# Altium PCB DAW500LCB.PcbDoc (part 2 of 3)
Units mm, origin at the board's own origin, x right, y up, seen from the top; angles counter-clockwise.
Board outline 180.09 x 194.82 mm, 2 copper layers (Top Layer, Bottom Layer); 330 components, 331 nets, 1136 pads, 143 vias.
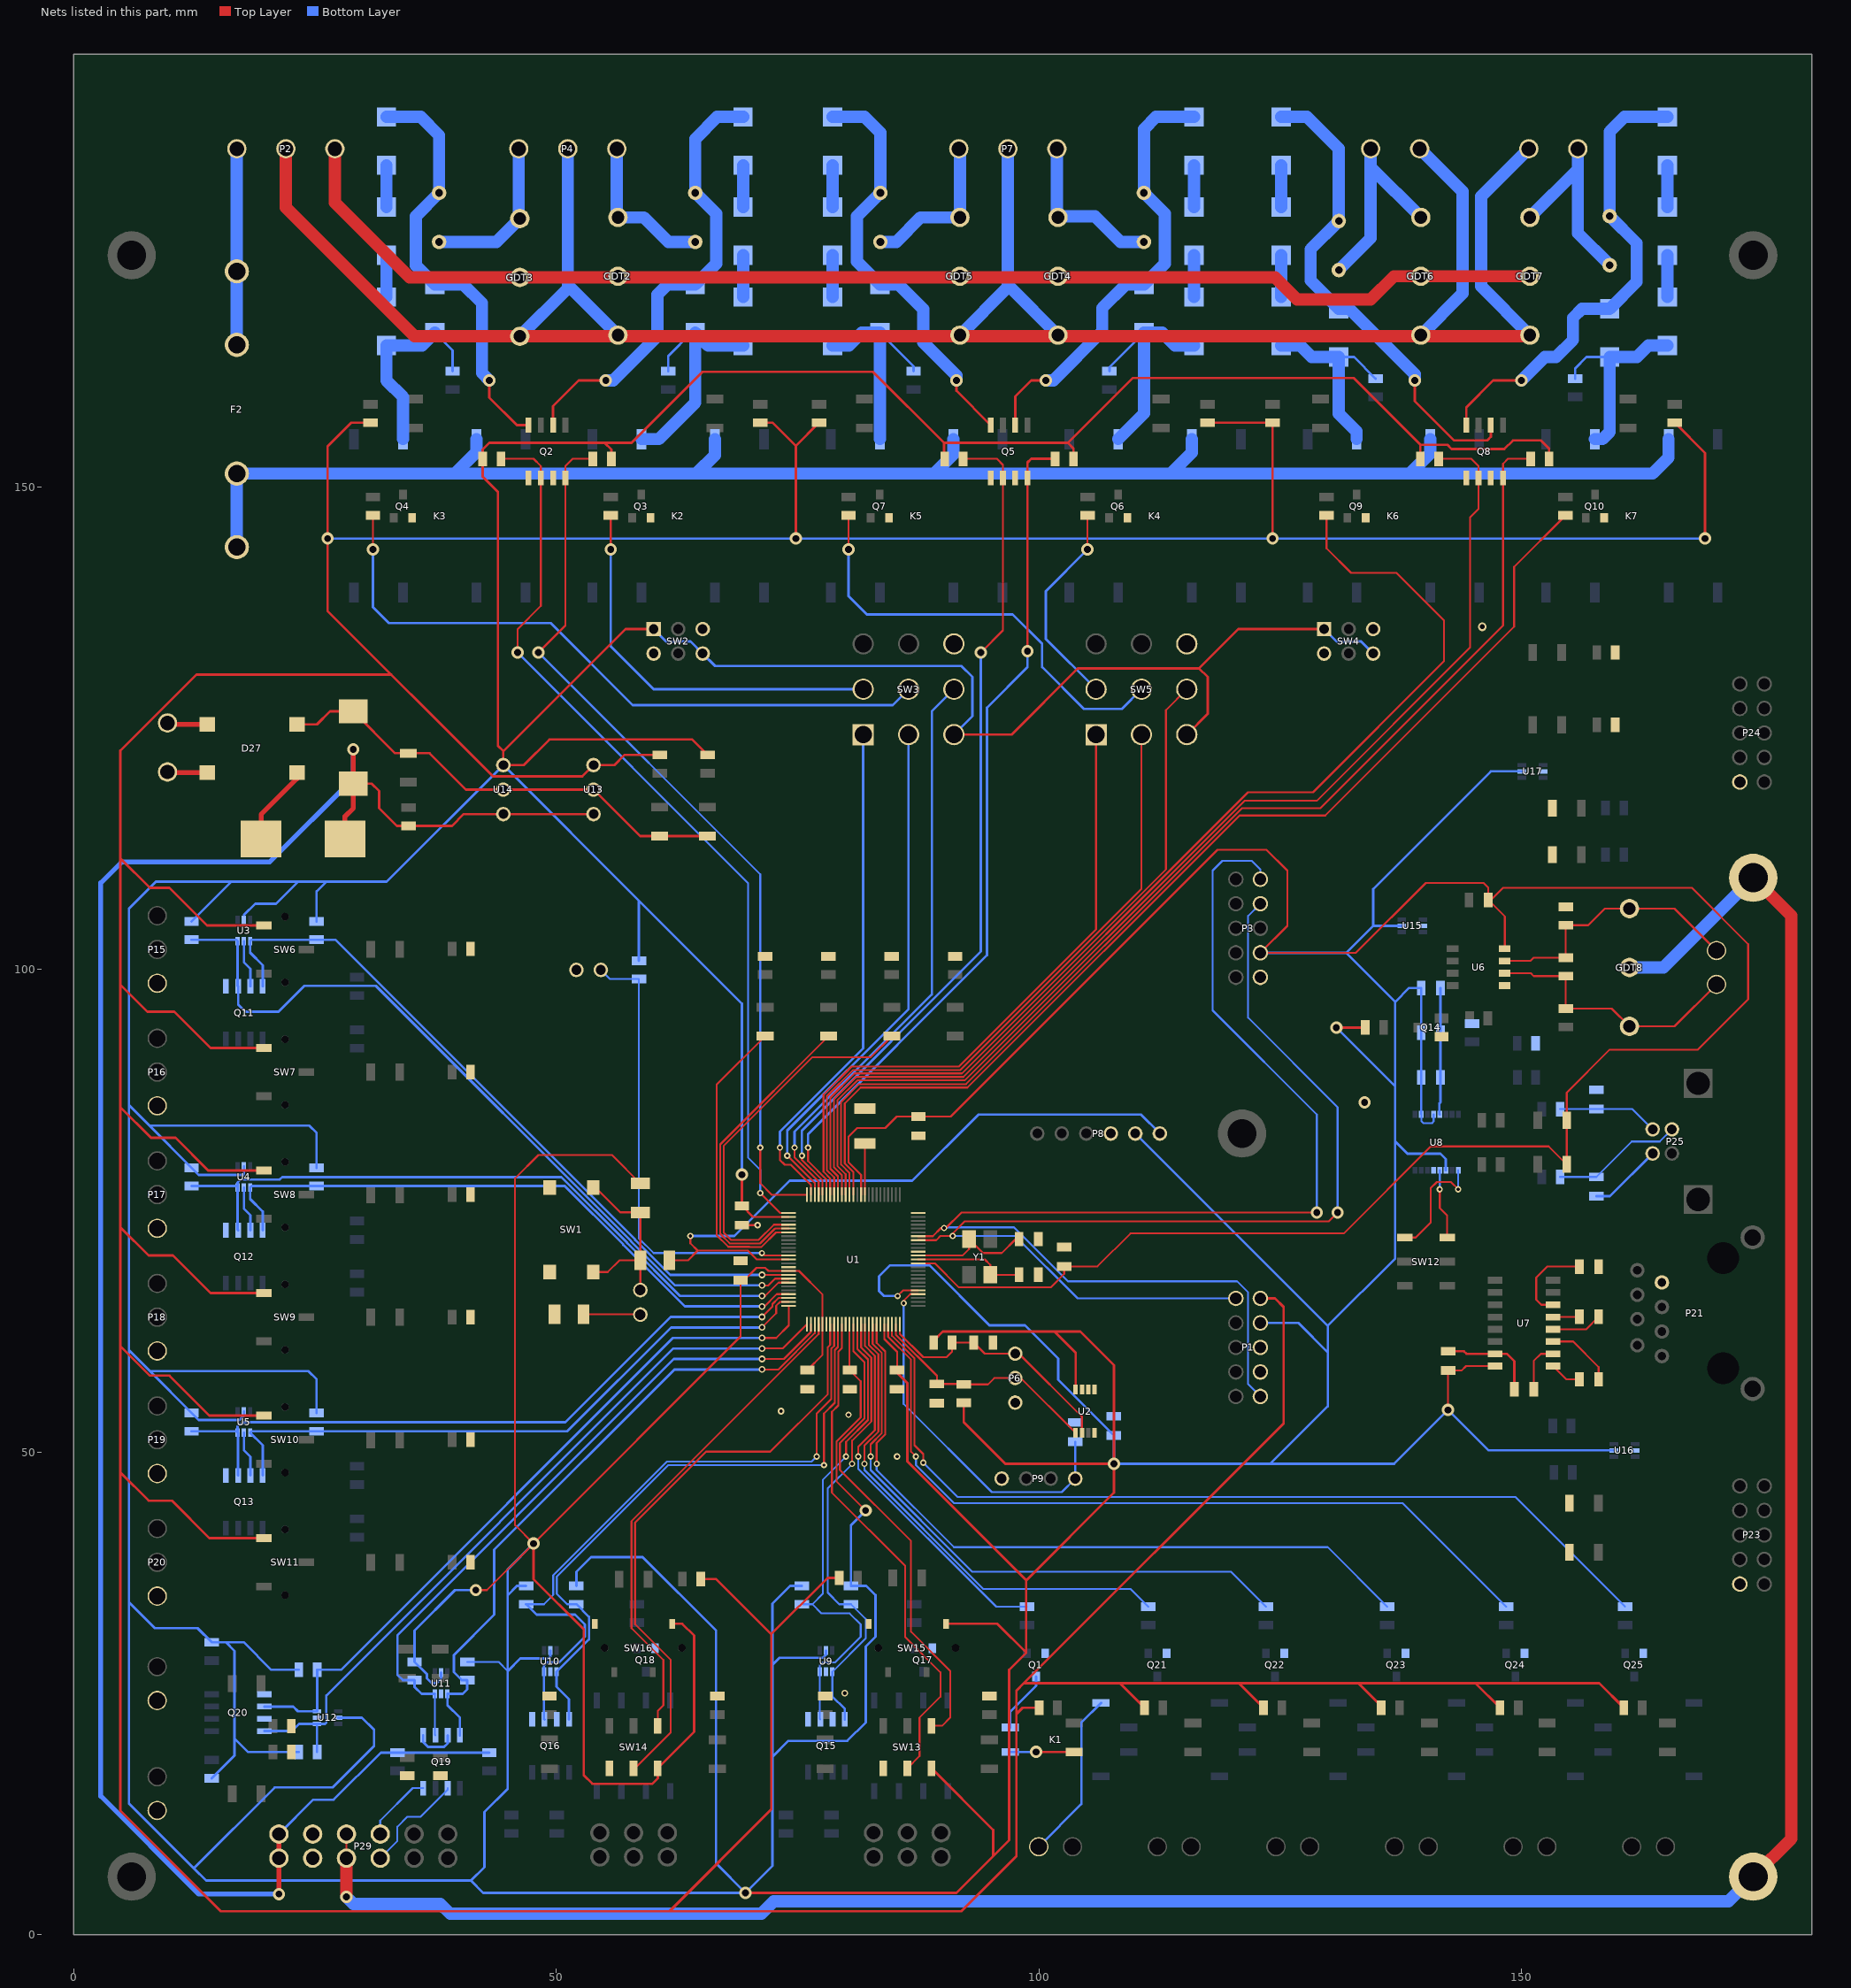
[diagram p2: the nets of this part, all layers, seen from the top]

## Via types
v1: diameter 1.27, hole 0.711, Top Layer to Bottom Layer, 78 vias
v2: diameter 0.65, hole 0.35, Top Layer to Bottom Layer, 37 vias
v3: diameter 0.7, hole 0.4, Top Layer to Bottom Layer, 11 vias
v4: diameter 1, hole 0.5, Top Layer to Bottom Layer, 11 vias
v5: diameter 0.7, hole 0.35, Top Layer to Bottom Layer, 2 vias
v6: diameter 0.9, hole 0.5, Top Layer to Bottom Layer, 1 vias
v7: diameter 1.27, hole 0.711, Top Layer to Bottom Layer, tented bottom, 1 vias
v8: diameter 0.65, hole 0.35, Top Layer to Bottom Layer, tented bottom, 1 vias
v9: diameter 0.65, hole 0.3, Top Layer to Bottom Layer, 1 vias

## Nets (pads, with @x,y where several pads share a name; then routed paths per layer and width w, separated by ;. In a path a pad name is that pad's centre, name@x,y a point inside that pad or via, vN(x,y) a via of type N, cw(c..) or ccw(c..) an arc to the next point about the centre after c; other vN are vias at no path point) (continued)
3V3: C3.1 C4.1 C5.2 C8.1 C11.1 C12.1 C13.1 C16.1 C17.1 C18.1 C19.1 C20.1 C23.2 LED17.2 LED18.2 P1.4 P3.8 P8.2 R3.2 R5.2 R11.2 R13.2 R19.2 R21.2 R29.2 R32.1 R33.1 R38.1 R39.1 R44.1 R45.1 R53.1 R61.1 R62.2 R67.1 R68.2 R77.1 R78.1 R83.2 R84.2 R85.2 R86.2 R91.2 R104.2 R105.2 R106.2 SW2.1 SW2.6 SW3.7 SW4.1 SW4.6 SW5.7 SW13.4 SW14.4 SW15.4 SW16.4 U1.2 U1.16 U1.30 U1.37 U1.46 U1.55 U1.62 U1.86 U2.8 U3.5 U4.5 U5.5 U6.8 U7.16 U8.3 U8.10 U8.12 U9.5 U10.5 U11.5 U12.5 U14.3 U15.5 U16.5 U17.5 | length 1845.4
  Top Layer w0.2: v1(41.656,35.687) 42.799,35.687 v1(47.625,40.513) ; R29.2@58.698,77.827 55.753,80.772 48.133,80.772 45.72,78.359 45.72,42.418 v1(47.625,40.513) ; C3.1@69.215,75.509 70.371,74.353 U1.2@74.072,74.353 ; C16.1@76,58.5 77.572,60.072 U1.30@77.572,63.253 77.572,66.319 75.138,68.753 U1.16@74.072,68.753 71.969,68.753 71.634,69.088 70.739,69.088 69.461,67.81 C4.1@69.088,67.81 69.088,61.976 v1(47.625,40.513) ; U1.37@80.372,63.253 80.372,58.5 81.534,57.338 81.534,53.594 79.015,51.075 79.015,46.969 v1(82.042,43.942) ; U1.86@81.572,76.653 81.572,78.713 80.264,80.021 80.264,82.677 81.153,83.566 84.074,83.566 85.27,84.762 C20.1@87.503,84.762 90.858,84.762 118.491,112.395 123.571,112.395 125.73,110.236 125.73,104.521 P3.8@122.936,101.727 132.842,101.727 140.081,108.966 146.05,108.966 146.558,108.458 C8.1@146.558,107.188 ; U1.46@83.972,63.253 83.972,61.697 85.3,60.369 C18.1@85.3,58.5 ; v2(85.344,66.167) 85.931,66.753 U1.55@87.472,66.753 ; U1.62@87.472,69.553 89.198,69.553 91.695,67.056 101.219,67.056 102.616,68.453 C19.1@102.616,69.215 ; C19.1@102.616,69.231 106.061,69.231 109.474,72.644 131.572,72.644 140.589,81.661 152.808,81.661 LED17.2@154.676,79.793 LED18.2@154.676,84.365 154.676,87.239 159.131,91.694 168.275,91.694 173.482,96.901 173.482,102.616 167.64,108.458 148.082,108.458 146.812,107.188 C8.1@146.558,107.188 ; v1(142.383,54.356) C5.2@142.383,58.436 143.78,58.436 144.248,58.904 U7.16@147.255,58.904 ; U6.8@148.258,102.155 148.258,105.488 C8.1@146.558,107.188
  Top Layer w0.254: v1(47.625,40.513) 47.625,36.83 52.832,31.623 52.832,16.51 53.721,15.621 59.944,15.621 60.5,16.177 SW14.4@60.5,17.231 64.262,20.993 64.262,30.988 63.05,32.2 SW16.4@62,32.2 ; R3.2@55.687,152.908 55.687,153.863 54.991,154.559 ; SW2.1@60.077,135.27 57.165,135.27 44.5,122.605 ; R91.2@65.659,122.235 64.069,123.825 49.276,123.825 46.625,121.174 U14.3@44.5,121.174 44.5,122.605 ; C3.1@69.215,75.509 v1(69.215,78.74) ; v1(69.596,4.318) 91.44,4.318 95.25,8.128 ; C18.1@85.3,58.5 85.3,58.2 86.354,57.146 86.354,49.028 98.679,36.703 ; SW13.4@88.86,17.231 95.25,10.841 95.25,8.128 ; R104.2@89.093,61.341 89.093,61.534 90.043,62.484 101.6,62.484 ; R13.2@90.236,152.908 90.17,152.974 90.17,154.559 ; SW15.4@90.36,32.2 95.689,32.2 98.679,29.21 ; SW3.7@91.187,124.332 97.154,124.332 104.013,131.191 116.586,131.191 ; R105.2@92.202,55.099 92.202,53.086 96.52,48.768 v1(107.757,48.768) ; R11.2@103.566,152.908 103.566,153.99 102.997,154.559 ; U2.8@103.8,56.479 103.8,60.284 101.6,62.484 ; SW5.7@115.317,124.332 117.475,126.49 117.475,130.302 116.586,131.191 ; SW4.1@129.54,135.27 120.665,135.27 116.586,131.191 ; v1(130.81,93.98) R53.1@133.813,93.98 ; R21.2@139.512,152.908 139.512,154.366 ; R19.2@152.842,152.908 152.842,153.99 152.019,154.813 149.098,154.813 148.209,153.924 142.748,153.924 142.306,154.366 139.512,154.366 ; 44.5,122.605 43.942,123.163 43.942,149.479 42.357,151.064 R5.2@42.357,152.908 42.357,153.863 43.053,154.559 54.991,154.559 ; 54.991,154.559 57.785,154.559 65.151,161.925 82.804,161.925 90.17,154.559 ; 90.17,154.559 102.997,154.559 ; 95.25,8.128 96.901,9.779 96.901,27.432 98.679,29.21 ; 98.679,29.21 98.679,36.703 ; 98.679,36.703 107.757,45.781 v1(107.757,48.768) ; 101.6,62.484 104.267,62.484 107.757,58.994 v1(107.757,48.768) ; 102.997,154.559 109.728,161.29 132.588,161.29 139.512,154.366
  Bottom Layer w0.2: R77.1@40.767,28.255 44.008,28.255 44.958,27.305 ; U8.10@139.603,85.01 C13.1@139.603,88.81 C12.1@139.603,93.446 C11.1@139.603,98.081 ; U8.10@139.618,84.995 139.618,84.283 139.827,84.074 140.716,84.074 140.888,84.246 U8.12@140.888,84.995
  Bottom Layer w0.254: 5.715,34.417 8.382,31.75 12.823,31.75 R83.2@14.286,30.287 15.748,30.287 ; R33.1@12.204,104.979 16.318,109.093 ; R84.2@14.286,16.195 16.637,18.546 16.637,20.32 ; U5.5@17.625,54.202 17.625,53.771 17.165,53.312 12.944,53.312 R45.1@12.204,54.052 7.874,58.382 ; U4.5@17.625,79.602 17.625,78.712 12.944,78.712 R39.1@12.204,79.452 7.836,83.82 ; 17.625,105.636 18.796,106.807 20.955,106.807 23.241,109.093 ; R85.2@23.307,18.923 18.034,18.923 16.637,20.32 ; R86.2@23.307,27.432 20.447,27.432 17.592,30.287 15.748,30.287 ; R44.1@25.158,54.052 25.158,57.519 24.295,58.382 7.874,58.382 ; R38.1@25.158,79.452 25.158,83.046 24.384,83.82 7.836,83.82 ; R32.1@25.158,104.979 25.158,108.089 26.162,109.093 ; U12.5@27.389,22.479 29.845,22.479 31.115,21.209 31.115,19.558 26.797,15.24 20.828,15.24 12.446,6.858 ; U11.5@38.06,27.135 38.06,26.503 37.592,26.035 37.084,26.035 36.576,26.543 36.576,26.985 R78.1@35.306,28.255 35.306,31.496 39.497,35.687 v1(41.656,35.687) ; R68.2@46.863,36.129 45.908,36.129 44.958,35.179 ; v1(47.625,40.513) 44.958,37.846 44.958,35.179 ; U10.5@49.363,29.421 49.363,28.789 49.182,28.608 46.261,28.608 44.958,27.305 ; R67.1@52.07,36.129 52.07,37.592 53.594,39.116 58.928,39.116 66.548,31.496 66.548,7.366 v1(69.596,4.318) ; R106.2@58.547,100.899 58.547,107.127 ; SW2.1@60.077,135.27 61.362,133.985 63.902,133.985 SW2.6@65.157,132.73 66.442,131.445 91.948,131.445 93.091,130.302 93.091,126.236 SW3.7@91.187,124.332 ; v1(69.215,78.74) 69.215,96.459 58.547,107.127 ; 72.39,18.415 74.041,20.066 80.137,20.066 82.042,21.971 82.042,29.845 83.058,30.861 83.058,35.179 82.108,36.129 R61.1@80.518,36.129 80.518,42.418 v1(82.042,43.942) ; R62.2@75.438,36.129 74.229,36.129 72.39,34.29 72.39,27.94 ; U9.5@77.938,29.421 77.938,28.99 77.632,28.684 73.134,28.684 72.39,27.94 ; v2(85.344,66.167) 83.947,66.167 83.439,66.675 83.439,68.199 84.582,69.342 88.646,69.342 94.869,63.119 98.552,63.119 101.981,59.69 101.981,57.481 C23.2@107.757,51.705 v1(107.757,48.768) 123.952,48.768 ; P8.2@109.982,83 129.921,63.061 ; P1.4@122.936,63.373 126.873,63.373 129.921,60.325 ; P3.8@122.936,101.727 131.826,101.727 ; SW4.1@129.54,135.27 130.825,133.985 133.365,133.985 SW4.6@134.62,132.73 ; v1(130.81,93.98) 136.906,87.884 ; U15.5@137.584,104.521 134.62,104.521 ; C11.1@139.603,98.081 138.34,98.081 136.906,96.647 ; U8.3@142.148,79.195 142.148,80.356 141.605,80.899 138.176,80.899 136.906,82.169 ; U17.5@150.03,120.523 146.812,120.523 134.62,108.331 134.62,104.521 ; U16.5@159.555,50.165 146.574,50.165 v1(142.383,54.356) 136.795,48.768 123.952,48.768 ; 5.715,60.541 5.715,13.589 12.446,6.858 ; 5.715,60.541 5.715,85.941 ; 5.715,60.541 7.874,58.382 ; 5.715,85.941 5.715,106.299 8.509,109.093 16.318,109.093 ; 5.715,85.941 7.836,83.82 ; 12.446,6.858 13.716,5.588 41.148,5.588 ; 15.748,30.287 16.637,29.398 16.637,20.32 ; 16.318,109.093 23.241,109.093 ; 23.241,109.093 26.162,109.093 ; 26.162,109.093 32.419,109.093 U14.3@44.5,121.174 58.547,107.127 ; 41.148,5.588 42.418,4.318 v1(69.596,4.318) ; 41.148,5.588 42.545,6.985 42.545,12.7 44.958,15.113 44.958,27.305 ; 44.958,27.305 44.958,35.179 ; v1(69.596,4.318) 72.39,7.112 72.39,27.94 ; 123.952,48.768 129.921,54.737 129.921,60.325 ; 129.921,60.325 129.921,63.061 ; 129.921,63.061 136.906,70.046 136.906,82.169 ; 131.826,101.727 134.62,104.521 ; 131.826,101.727 136.906,96.647 ; 136.906,82.169 136.906,87.884 ; 136.906,87.884 136.906,96.647
5V: P1.2 R2.2 R8.2 R10.2 R16.2 R18.2 R24.2 R73.2 R74.2 R89.2 R92.2 R93.2 R96.2 R97.2 R100.2 R101.2 SW6.1 SW7.1 SW8.1 SW9.1 SW10.1 SW11.1 U13.3 | length 807.5
  Top Layer w0.254: SW11.1@19.685,41.068 14.05,41.068 10.16,44.958 7.747,44.958 4.826,47.879 ; SW10.1@19.685,53.768 14.05,53.768 9.906,57.912 7.874,57.912 4.826,60.96 ; SW9.1@19.685,66.468 14.177,66.468 10.287,70.358 7.747,70.358 4.826,73.279 ; SW8.1@19.685,79.168 13.923,79.168 10.541,82.55 8.001,82.55 4.826,85.725 ; SW7.1@19.685,91.868 14.177,91.868 10.414,95.631 7.62,95.631 4.826,98.425 ; SW6.1@19.685,104.568 13.796,104.568 9.906,108.458 7.874,108.458 4.826,111.506 ; R8.2@30.734,156.657 28.768,156.657 26.289,154.178 v1(26.289,144.653) 26.289,137.16 43.434,120.015 52.689,120.015 U13.3@53.848,121.174 56.023,121.174 57.084,122.235 R89.2@60.706,122.235 ; 32.893,130.556 12.7,130.556 4.826,122.682 4.826,111.506 ; R74.2@64.958,36.83 66.548,36.83 72.263,31.115 ; R2.2@71.12,156.657 72.39,156.657 74.803,154.244 ; v1(74.803,144.653) 74.803,154.244 ; R16.2@77.216,156.657 74.803,154.244 ; R73.2@79.314,36.957 78.105,36.957 72.263,31.115 ; R92.2@100.015,23.495 98.298,23.495 97.663,22.86 ; 108.458,25.974 R93.2@110.937,23.495 ; R10.2@117.475,156.657 R18.2@124.206,156.657 v1(124.206,144.653) ; P1.2@122.936,65.913 124.46,65.913 125.349,65.024 125.349,52.959 98.425,26.035 ; R96.2@123.256,23.495 120.777,25.974 120.777,26.035 ; R97.2@135.448,23.495 135.448,23.683 133.096,26.035 ; R100.2@147.767,23.495 145.227,26.035 ; R101.2@160.594,23.495 158.054,26.035 145.227,26.035 ; R24.2@165.862,156.657 169,153.519 v1(169,144.653) ; 4.826,47.879 4.826,60.96 ; 4.826,47.879 4.826,12.827 15.24,2.413 61.722,2.413 ; 4.826,60.96 4.826,73.279 ; 4.826,73.279 4.826,85.725 ; 4.826,85.725 4.826,98.425 ; 4.826,98.425 4.826,111.506 ; 61.722,2.413 72.263,12.954 72.263,31.115 ; 61.722,2.413 91.948,2.413 97.663,8.128 97.663,22.86 ; 97.663,22.86 97.663,25.273 98.425,26.035 ; 98.425,26.035 120.777,26.035 ; 120.777,26.035 133.096,26.035 ; 133.096,26.035 145.227,26.035
  Bottom Layer w0.254: v1(26.289,144.653) v1(74.803,144.653) v1(124.206,144.653) v1(169,144.653)
24V: F9.2 P29.1 P29.2 R79.2 R82.2 R90.2 TVS9.1 U13.1 U14.1 | length 220.3
  Top Layer w0.254: TVS9.1@28.956,119.25 30.864,119.25 31.623,118.491 31.623,116.713 33.462,114.874 R90.2@34.671,114.874 39.182,114.874 40.402,116.094 U14.1@44.5,116.094 U13.1@53.848,116.094
  Top Layer w0.508: v1(21.25,4.191) P29.1@21.25,7.914 P29.2@21.25,10.414 ; F9.2@28.099,113.538 28.099,115.856 28.956,116.713 TVS9.1@28.956,119.25 v1(28.956,122.809)
  Bottom Layer w0.254: P29.2@21.25,10.414 24.806,13.97 26.924,13.97 31.811,18.857 R82.2@33.528,18.857 R79.2@43.053,18.857
  Bottom Layer w0.508: v1@21.209,4.191 12.954,4.191 2.794,14.351 2.794,108.966 4.953,111.125 20.282,111.125 28.956,119.799 v1(28.956,122.809)
AC1: R4.2 SW3.2 | length 41.6
  Top Layer w0.2: v1(55.626,143.51) R4.2@55.626,147.05
  Bottom Layer w0.254: v1(55.626,143.51) 55.626,133.477 60.071,129.032 SW3.2@81.787,129.032
AC2: R9.2 SW3.5 | length 69.9
  Top Layer w0.2: v1(30.988,143.51) R9.2@30.988,147.05
  Bottom Layer w0.254: v1(30.988,143.51) 30.988,137.541 32.639,135.89 49.403,135.89 57.912,127.381 84.836,127.381 SW3.5@86.487,129.032
AC3: R12.2 SW5.2 | length 22
  Top Layer w0.2: v1(105.029,143.51) R12.2@105.029,147.05
  Bottom Layer w0.254: v1(105.029,143.51) 100.711,139.192 100.711,134.238 SW5.2@105.917,129.032
AC4: R17.2 SW5.5 | length 45.8
  Top Layer w0.2: v1(80.264,143.51) R17.2@80.264,147.05
  Bottom Layer w0.254: v1(80.264,143.51) 80.264,138.684 82.169,136.779 97.282,136.779 100.33,133.731 100.33,131.318 104.648,127 108.585,127 SW5.5@110.617,129.032
ACA1S: Q8.8 R19.1 U1.89 | length 118.8
  Top Layer w0.2: U1.89@80.372,76.653 80.372,78.895 79.496,79.771 79.496,86.266 81.347,88.117 92.434,88.117 121.03,116.713 129.158,116.713 148.082,135.637 Q8.8@148.082,150.938 148.082,152.4 148.59,152.908 R19.1@150.942,152.908
ACA2S: Q8.6 R21.1 U1.90 | length 118.7
  Top Layer w0.2: U1.90@79.972,76.653 79.972,78.786 79.109,79.649 79.109,86.427 81.186,88.504 92.312,88.504 121.283,117.475 128.778,117.475 144.653,133.35 144.653,146.812 145.542,147.701 Q8.6@145.542,150.938 145.542,152.146 144.78,152.908 R21.1@141.412,152.908
ACAUX1: R20.2 U1.91 | length 115.2
  Top Layer w0.2: U1.91@79.572,76.653 79.572,78.677 78.749,79.5 78.749,86.576 81.037,88.864 92.163,88.864 121.663,118.364 128.397,118.364 141.965,131.932 141.965,136.165 137.033,141.097 132.334,141.097 129.794,143.637 R20.2@129.794,147.05
ACAUX2: R25.2 U1.88 | length 113.4
  Top Layer w0.2: U1.88@80.772,76.653 80.772,79.004 79.883,79.893 79.883,86.106 81.534,87.757 92.583,87.757 120.777,115.951 129.667,115.951 149.225,135.509 149.225,141.716 R25.2@154.559,147.05
ACLA: SW5.8 U1.92 | length 74.5
  Top Layer w0.2: U1.92@79.172,76.653 79.172,78.568 78.389,79.351 78.389,86.725 80.888,89.224 92.014,89.224 113.157,110.367 113.157,126.872 SW5.8@115.317,129.032
ACLG: SW5.1 U1.94 | length 66.2
  Top Layer w0.2: U1.94@78.372,76.653 78.372,78.349 77.669,79.052 77.669,87.023 80.59,89.944 91.715,89.944 105.917,104.146 SW5.1@105.917,124.332
ACLGS: Q5.8 R11.1 U1.95 | length 89.1
  Top Layer w0.2: v2(76.073,81.534) 76.073,80.139 77.972,78.24 U1.95@77.972,76.653
  Top Layer w0.254: v1(98.806,132.969) Q5.8@98.806,150.938 98.806,152.527 99.187,152.908 R11.1@101.666,152.908
  Bottom Layer w0.254: v2(76.073,81.534) 76.073,82.931 94.615,101.473 94.615,127.127 98.806,131.318 v1(98.806,132.969)
ACLR: SW5.4 U1.93 | length 68
  Top Layer w0.2: U1.93@78.772,76.653 78.772,78.458 78.029,79.201 78.029,86.874 80.739,89.584 91.864,89.584 110.617,108.337 SW5.4@110.617,124.332
ACLRS: Q5.6 R13.1 U1.96 | length 89.5
  Top Layer w0.2: v2(75.438,80.7) 75.438,80.265 77.572,78.131 U1.96@77.572,76.653 ; R13.1@92.136,152.908 95.631,152.908 96.266,152.273 Q5.6@96.266,150.938 96.266,135.128 v1(93.98,132.842)
  Bottom Layer w0.254: v2(75.438,80.7) 75.438,83.312 93.98,101.854 v1(93.98,132.842)
ACTA: SW3.8 U1.97 | length 60.3
  Top Layer w0.2: v2(74.676,81.534) 74.676,80.518 77.172,78.022 U1.97@77.172,76.653
  Bottom Layer w0.254: v2(74.676,81.534) 74.676,83.185 88.9,97.409 88.9,126.745 SW3.8@91.187,129.032
ACTG: SW3.1 U1.99 | length 53.4
  Top Layer w0.2: v2(73.152,81.534) 73.152,80.264 73.66,79.756 74.295,79.756 76.372,77.679 U1.99@76.372,76.653
  Bottom Layer w0.254: v2(73.152,81.534) 73.152,83.185 81.788,91.821 SW3.1@81.788,124.783
ACTGS: Q2.8 R3.1 U1.100 | length 93.5
  Top Layer w0.2: v1(48.133,132.842) 50.927,135.636 Q2.8@50.927,150.938 50.927,152.146 51.689,152.908 R3.1@53.787,152.908 ; v2(71.12,81.534) 71.12,77.851 72.318,76.653 U1.100@75.972,76.653
  Bottom Layer w0.2: v1(48.133,132.842) 71.12,109.855 v2(71.12,81.534)
ACTR: SW3.4 U1.98 | length 54.1
  Top Layer w0.2: v2@73.93,80.716 76.772,77.875 U1.98@76.772,76.653
  Bottom Layer w0.254: v2(73.914,80.7) 73.914,83.312 86.487,95.885 SW3.4@86.487,124.332
ACTRS: Q2.6 R5.1 U1.1 | length 95
  Top Layer w0.2: R5.1@44.257,152.908 47.625,152.908 48.387,152.146 Q2.6@48.387,150.938 48.387,137.668 45.974,135.255 v1(45.974,132.842) ; v2(71.12,76.835) 73.202,74.753 U1.1@74.072,74.753
  Bottom Layer w0.2: v1(45.974,132.842) 69.85,108.966 69.85,80.518 71.12,79.248 v2(71.12,76.835)
AI1: Q11.8 R32.2 U1.17 U3.1 | length 75.5
  Top Layer w0.2: v3(71.3,68.353) U1.17@74.072,68.353
  Bottom Layer w0.254: Q11.8@19.57,98.252 19.57,100.445 18.275,101.74 U3.1@18.275,102.929 18.425,103.079 R32.2@25.158,103.079 27.096,103.079 58.16,72.015 58.16,71.976 61.783,68.353 v3(71.3,68.353)
AI2: Q11.6 R33.2 U1.18 U3.3 | length 83
  Top Layer w0.2: v3(71.3,67.263) 71.962,67.263 72.652,67.953 U1.18@74.072,67.953
  Bottom Layer w0.254: R33.2@12.204,103.079 16.825,103.079 U3.3@16.975,102.929 16.975,98.307 Q11.6@17.03,98.252 17.03,96.381 17.78,95.631 21.209,95.631 23.876,98.298 31.292,98.298 57.746,71.844 57.746,71.804 62.287,67.263 v3(71.3,67.263)
AI3: Q12.8 R38.2 U1.22 U4.1 | length 66.5
  Top Layer w0.2: v3(71.3,65.084) 71.561,65.084 72.83,66.353 U1.22@74.072,66.353
  Bottom Layer w0.254: Q12.8@19.57,72.979 19.57,74.918 18.275,76.213 U4.1@18.275,77.402 18.425,77.552 R38.2@25.158,77.552 50.867,77.552 56.918,71.501 56.918,71.461 63.295,65.084 v3(71.3,65.084)
AI4: Q12.6 R39.2 U1.19 U4.3 | length 72.8
  Top Layer w0.2: v3(71.3,66.174) 71.635,66.174 73.014,67.553 U1.19@74.072,67.553
  Bottom Layer w0.254: R39.2@12.204,77.552 16.825,77.552 U4.3@16.975,77.402 ; Q12.6@17.03,72.979 16.975,73.034 U4.3@16.975,77.402 ; v3(71.3,66.174) 62.791,66.174 57.332,71.633 57.332,71.672 50.518,78.486 21.59,78.486 21.336,78.232 17.272,78.232 16.975,77.935 U4.3@16.975,77.402
AI5: Q13.8 R44.2 U1.24 U5.1 | length 66.8
  Top Layer w0.2: v3(71.3,62.905) 72.771,64.376 72.771,65.15 73.174,65.553 U1.24@74.072,65.553
  Bottom Layer w0.254: Q13.8@19.57,47.579 19.57,50.707 U5.1@18.275,52.002 18.425,52.152 R44.2@25.158,52.152 51.136,52.152 61.889,62.905 v3(71.3,62.905)
AI6: Q13.6 R45.2 U1.23 U5.3 | length 72.6
  Top Layer w0.2: v3(71.3,63.995) 72.39,65.085 72.39,65.329 73.014,65.953 U1.23@74.072,65.953
  Bottom Layer w0.254: R45.2@12.204,52.152 U5.3@16.975,52.152 ; U5.3@16.975,52.002 U5.3@16.975,52.152 ; U5.3@17.018,51.959 17.018,47.591 Q13.6@17.03,47.579 ; v3(71.3,63.995) 61.836,63.995 50.927,53.086 17.653,53.086 17.465,52.898 17.211,52.898 16.975,52.662 U5.3@16.975,52.152
AOC1: R94.1 U1.41 | length 39.5
  Top Layer w0.2: v2(81.28,49.53) 81.28,50.546 82.995,52.261 82.995,59.965 81.972,60.988 U1.41@81.972,63.253
  Bottom Layer w0.2: v2(81.28,49.53) 81.28,48.26 95.57,33.97 R94.1@98.745,33.97
AOC2: R98.1 U1.43 | length 62.8
  Top Layer w0.2: v2(82.55,49.53) 82.55,50.798 83.715,51.963 83.715,60.263 82.772,61.206 U1.43@82.772,63.253
  Bottom Layer w0.2: v2(82.55,49.53) 82.55,48.133 93.091,37.592 119.888,37.592 R98.1@123.51,33.97
AOC3: R102.1 U1.47 | length 83
  Top Layer w0.2: U1.47@84.372,63.253 84.372,61.932 86.741,59.563 86.741,50.038 v2(87.249,49.53)
  Bottom Layer w0.2: v2(87.249,49.53) 87.249,48.641 91.186,44.704 137.668,44.704 R102.1@148.402,33.97
AOC4: R95.1 U1.42 | length 51.4
  Top Layer w0.2: v2(81.915,48.768) 81.915,50.672 83.355,52.112 83.355,60.114 82.372,61.097 U1.42@82.372,63.253
  Bottom Layer w0.2: v2(81.915,48.768) 81.915,48.134 94.235,35.814 109.474,35.814 R95.1@111.318,33.97
AOC5: R99.1 U1.44 | length 74.6
  Top Layer w0.2: U1.44@83.172,63.253 83.172,61.315 84.075,60.412 84.075,51.814 83.185,50.924 v2(83.185,48.768)
  Bottom Layer w0.2: v2(83.185,48.768) 83.185,48.133 91.186,40.132 129.921,40.132 R99.1@136.083,33.97
AOC6: R103.1 U1.48 | length 94.6
  Top Layer w0.2: U1.48@84.772,63.253 84.772,62.041 87.101,59.712 87.101,50.694 88.011,49.784 v2(88.011,48.895)
  Bottom Layer w0.2: v2(88.011,48.895) 91.567,45.339 149.352,45.339 R103.1@160.721,33.97
COMMON: GDT2.3 GDT3.3 GDT4.3 GDT5.3 GDT6.3 GDT7.3 P2.2 P4.2 P7.2 P10.1 P11.2 | length 243.6
  Top Layer w1.27: P2.2@21.971,185.039 21.971,178.943 35.31,165.604 GDT3.3@46.215,165.604 GDT7.3@150.744,165.604
  Bottom Layer w1.27: GDT3.3@46.215,165.604 51.181,170.57 P4.2@51.181,185.039 ; 51.528,170.57 GDT2.3@56.375,165.723 ; GDT5.3@91.808,165.723 96.774,170.689 P7.2@96.774,185.039 ; 97.002,170.689 GDT4.3@101.968,165.723 ; P10.1@139.446,185.039 143.89,180.595 143.89,170.053 GDT6.3@139.56,165.723 ; P11.2@150.749,185.039 145.796,180.086 145.796,170.79 GDT7.3@150.863,165.723
DATA+: GDT8.1 P22.2 R50.1 R52.2 U6.6 | length 28
  Top Layer w0.2: U6.6@148.258,99.605 150.966,99.605 151.255,99.316 R50.1@154.575,99.316 R52.2@154.575,95.946 159.336,95.946 GDT8.1@161.179,94.103 165.846,94.103 P22.2@170.196,98.453
DATA-: GDT8.3 P22.1 R49.1 R50.2 U6.7 | length 28
  Top Layer w0.2: U6.7@148.258,100.885 150.923,100.885 151.255,101.217 R50.2@154.575,101.217 R49.1@154.575,104.587 156.911,104.587 158.627,106.303 GDT8.3@161.179,106.303 165.846,106.303 P22.1@170.196,101.953
DOOR_INPUT: P5.2 R106.1 U1.12 | length 47.5
  Top Layer w0.2: v2(71.3,70.612) 71.559,70.353 U1.12@74.072,70.353
  Bottom Layer w0.2: P5.2@54.61,99.949 55.56,98.999 R106.1@58.547,98.999 58.547,72.136 60.071,70.612 v2(71.3,70.612)
EARTH: GDT2.2 GDT3.2 GDT4.2 GDT5.2 GDT6.2 GDT7.2 P2.1 | length 134.6
  Top Layer w1.27: P2.1@27.051,185.039 27.051,179.451 34.798,171.704 GDT3.2@46.215,171.704 124.46,171.704 126.746,169.418 134.366,169.418 136.771,171.823 GDT6.2@139.56,171.823 GDT7.2@150.863,171.823
EARTH2: GDT8.2 P29.5 P29.6 pad.@174,6 pad.@174,109.5 | length 278
  Top Layer w0.2: P29.5@28.25,7.914 P29.6@28.25,10.414
  Top Layer w1.27: v1(28.25,3.908) P29.5@28.25,7.914 ; pad.@174,6 177.927,9.927 177.927,105.573 pad.@174,109.5
  Bottom Layer w1.27: v1(28.25,3.908) 28.983,3.175 37.973,3.175 38.989,2.159 71.247,2.159 72.517,3.429 171.429,3.429 pad.@174,6 ; GDT8.2@161.179,100.203 164.703,100.203 pad.@174,109.5
EGATE: LED8.2 U1.5 | length 33.3
  Top Layer w0.2: 72.604,73.113 71.098,71.607 70.165,71.607 70.159,71.613 67.961,71.613 66.971,72.603 66.971,81.872 LED8.2@78.19,93.091 ; 72.605,73.113 72.644,73.152 U1.5@74.072,73.153 U1.5@74.072,73.153
ELIGHT: LED9.2 U1.4 | length 38.8
  Top Layer w0.2: U1.4@74.072,73.553 72.535,73.553 70.949,71.967 70.315,71.967 70.309,71.973 68.11,71.973 67.331,72.752 67.331,81.723 76.519,90.911 82.571,90.911 LED9.2@84.751,93.091
ESENSOR: LED1.2 U1.6 | length 31.3
  Top Layer w0.2: LED1.2@71.628,93.091 66.611,88.074 66.611,72.454 67.812,71.253 70.01,71.253 70.016,71.247 71.247,71.247 72.753,72.753 U1.6@74.072,72.753
FTDI_RX: SW12.3 U8.4 | length 7.3
  Top Layer w0.2: v2(141.518,77.216) 141.518,75.271 142.297,74.492 SW12.3@142.297,72.223
  Bottom Layer w0.2: v2(141.518,77.216) U8.4@141.518,79.195
FTDI_TX: SW12.6 U8.1 | length 12.3
  Top Layer w0.2: SW12.6@137.897,72.223 139.025,72.223 140.589,73.787 140.589,77.343 141.224,77.978 142.676,77.978 v2(143.438,77.216)
  Bottom Layer w0.2: v2(143.438,77.216) U8.1@143.438,79.195
GND: C1.2 C2.1 C3.2 C4.2 C5.1 C9.2 C10.2 C11.2 C12.2 C13.2 C14.2 C15.2 C16.2 C17.2 C18.2 C19.2 C20.2 C21.2 C22.2 C23.1 C24.2 CX1.2 CX2.2 D27.2 LED29.1 LED30.1 LED31.1 LED38.1 LED39.1 LED40.1 LED41.1 P1.6 P1.8 P3.10 P5.1 P6.3 P8.3 P9.4 P15.1 P16.1 P17.1 P18.1 P19.1 P20.1 P21.7 P23.9 P24.9 P25.4 P29.3 P29.4 P30.1 P31.1 Q1.2 Q2.5 Q2.7 Q3.2 Q4.2 Q5.5 Q5.7 Q6.2 Q7.2 Q8.5 Q8.7 Q9.2 Q10.2 Q11.5 Q11.7 Q12.5 Q12.7 Q13.5 Q13.7 Q14.1 Q15.5 Q15.7 Q16.5 Q16.7 Q17.2 Q18.2 Q19.5 Q19.7 Q20.5 Q20.7 Q21.2 Q22.2 Q23.2 Q24.2 Q25.2 R1.1 R26.1 R27.1 R28.1 R34.1 R35.1 R40.1 R41.1 R46.1 R47.1 R49.2 R54.1 R60.1 R63.2 R66.2 R69.2 R72.2 R80.1 R81.1 R87.2 R88.2 R117.2 R120.1 SW1.1 SW1.2 SW2.3 SW2.4 SW3.9 SW4.3 SW4.4 SW5.9 SW13.6 SW14.6 SW15.1 SW16.1 TVS9.2 U1.15 U1.31 U1.36 U1.45 U1.65 U1.75 U2.4 U2.5 U2.6 U2.7 U3.2 U4.2 U5.2 U6.5 U7.15 U8.5 U8.13 U9.2 U10.2 U11.2 U12.2 U13.2 U14.2 U15.2 U16.2 U17.2 | length 99.8
  Top Layer w0.254: D27.2@23.114,125.397 25.194,125.397 26.547,126.75 TVS9.2@28.956,126.75 33.302,122.404 LED30.1@34.671,122.404 36.854,122.404 40.624,118.634 U14.2@44.5,118.634 U13.2@53.848,118.634 58.666,113.816 LED29.1@60.706,113.816 LED31.1@65.659,113.816 ; C3.2@69.215,73.509 v2@70.739,73.509 ; C5.1@142.383,60.436 144.034,60.436 144.296,60.174 U7.15@147.255,60.174 148.487,60.174 149.255,59.406 C9.2@149.255,56.515
  Bottom Layer w0.254: U5.2@17.625,52.002 17.625,50.193 18.3,49.518 Q13.7@18.3,47.579 ; U4.2@17.625,77.402 17.625,75.212 18.3,74.537 Q12.7@18.3,72.979 ; U3.2@17.625,102.929 17.625,100.739 18.3,100.064 Q11.7@18.3,98.252 ; Q19.5@36.195,20.639 36.195,19.939 36.703,19.431 38.354,19.431 38.735,19.812 Q19.7@38.735,20.639 ; U8.13@141.518,84.995 141.478,85.035 141.478,86.106 141.603,86.231 C13.2@141.603,88.81 C12.2@141.603,93.446 C11.2@141.603,98.081 ; C14.2@157.748,76.507 159.153,76.507 P25.4@163.581,80.935
  other v1: 133.731,86.233
  other v2: 80.264,53.848 70.85,73.509
  other v3: 79.883,25.019
  other v5: 85.3,49.53 73.279,54.229
  other v6: 145.923,135.509
GTAA1: SW13.5 U1.35 | length 52.5
  Top Layer w0.2: U1.35@79.572,63.253 79.572,60.773 79.206,60.407 79.206,54.822 78.545,54.161 78.545,45.788 86.127,38.206 86.127,30.839 89.789,27.177 89.789,24.638 87.63,22.479 87.63,18.501 SW13.5@86.36,17.231
GTAA2: SW14.5 U1.32 | length 61.5
  Top Layer w0.2: SW14.5@58,17.231 58.125,17.231 61.849,20.955 61.849,28.448 58.145,32.152 58.145,42.681 65.502,50.038 72.157,50.038 78.126,56.007 78.126,60.855 78.372,61.101 U1.32@78.372,63.253
GTAC1: SW13.1 U1.38 | length 49.3
  Top Layer w0.2: U1.38@80.772,63.253 80.772,60.452 81.915,59.309 81.915,53.466 79.375,50.926 79.375,48.133 86.741,40.767 86.741,31.369 90.805,27.305 90.805,22.479 89.957,21.631 SW13.1@88.86,21.631
GTAC2: SW14.1 U1.29 | length 51.3
  Top Layer w0.2: SW14.1@60.5,21.631 60.5,23.162 61.087,23.749 61.087,28.448 57.785,31.75 57.785,42.83 77.172,62.217 U1.29@77.172,63.253
GTACL1: Q15.8 R61.2 U1.40 U9.1 | length 47.6
  Top Layer w0.2: v2(80.645,48.768) 80.645,51.178 82.635,53.168 82.635,59.777 81.572,60.84 U1.40@81.572,63.253
  Bottom Layer w0.2: U9.1@78.588,27.221 82.042,30.675 82.042,32.705 R61.2@80.518,34.229 79.309,34.229 78.105,35.433 78.105,46.228 v2(80.645,48.768)
  Bottom Layer w0.254: U9.1@78.588,27.221 78.588,24.663 79.883,23.368 Q15.8@79.883,22.291
GTACL2: Q16.8 R67.2 U1.34 U10.1 | length 66.4
  Top Layer w0.2: v9(77.724,48.641) 77.724,53.975 78.846,55.097 78.846,60.556 79.172,60.882 U1.34@79.172,63.253
  Bottom Layer w0.2: R67.2@52.07,34.229 51.115,34.229 50.038,35.306 50.038,37.084 61.595,48.641 v9(77.724,48.641)
  Bottom Layer w0.254: Q16.8@51.308,22.29 51.308,24.384 50.013,25.679 U10.1@50.013,27.221 50.031,27.221 53.373,30.563 53.373,32.926 R67.2@52.07,34.229
GTAOP1: Q15.6 R62.1 U1.39 U9.3 | length 51.2
  Top Layer w0.2: v2(80.01,49.53) 80.01,51.052 82.275,53.317 82.275,59.59 81.172,60.693 U1.39@81.172,63.253
  Bottom Layer w0.2: R62.1@75.438,34.229 76.52,34.229 ; Q15.6@77.343,22.291 77.288,22.346 U9.3@77.288,27.221 77.288,27.885 77.597,28.194 78.867,28.194 81.534,30.861 81.534,32.131 80.391,33.274 77.475,33.274 76.52,34.229 ; v2(80.01,49.53) 77.597,47.117 77.597,35.306 76.52,34.229
GTAOP2: Q16.6 R68.1 U1.33 U10.3 | length 71.4
  Top Layer w0.2: v2(76.962,49.53) 76.962,53.975 78.486,55.499 78.486,60.706 78.772,60.992 U1.33@78.772,63.253
  Bottom Layer w0.2: R68.1@46.863,34.229 48.707,34.229 49.678,35.2 49.678,37.233 61.446,49.001 76.433,49.001 v2(76.962,49.53)
  Bottom Layer w0.254: R68.1@46.863,34.229 47.945,33.147 51.943,33.147 52.959,32.131 52.959,30.861 50.292,28.194 49.022,28.194 48.713,27.885 U10.3@48.713,27.221 48.713,22.345 Q16.6@48.768,22.29
IN1: P29.7 Q19.2 | length 11
  Bottom Layer w0.2: P29.7@31.75,7.914 33.528,9.692 33.528,11.176 34.544,12.192 35.915,12.192 38.735,15.012 Q19.2@38.735,15.175
IN2: P29.8 Q19.4 | length 7.2
  Bottom Layer w0.2: P29.8@31.75,10.414 31.75,11.811 35.114,15.175 Q19.4@36.195,15.175
LC_ERROR: P1.10 P3.2 U1.69 | length 134.6
  Top Layer w0.2: U1.69@87.472,72.353 88.994,72.353 89.841,73.2 v2(90.17,73.2) 90.345,73.2 91.948,74.803 v1(128.778,74.803)
  Bottom Layer w0.2: v2@90.17,73.279 97.409,73.279 102.997,67.691 120.523,67.691 121.666,66.548 121.666,57.023 P1.10@122.936,55.753 ; P3.2@122.936,109.347 122.936,110.363 122.047,111.252 118.999,111.252 117.983,110.236 117.983,95.758 128.778,84.963 v1(128.778,74.803)
LC_PRESENCE: P1.1 P3.4 U1.68 | length 112.9
  Top Layer w0.2: U1.68@87.472,71.953 89.352,71.953 89.789,72.39 v2@90.805,72.39 ; v2(91.059,72.39) 91.059,72.644 92.323,73.908 130.042,73.908 v7(130.937,74.803)
  Bottom Layer w0.2: v2(91.059,72.39) 97.536,72.39 104.013,65.913 P1.1@120.396,65.913 ; P3.4@122.936,106.807 121.666,105.537 121.666,94.996 130.937,85.725 v7(130.937,74.803)
LCO1: Q19.8 R77.2 U1.28 U11.1 | length 67.6
  Top Layer w0.2: v3(71.3,58.547) 72.993,58.547 76.772,62.326 U1.28@76.772,63.253
  Bottom Layer w0.254: Q19.8@40.005,20.639 40.005,22.479 38.71,23.774 U11.1@38.71,24.935 40.302,24.935 40.767,25.4 R77.2@40.767,26.355 40.193,26.355 39.37,27.178 39.37,28.956 43.561,33.147 43.561,39.878 62.23,58.547 v3(71.3,58.547)
LCO2: Q19.6 R78.2 U1.27 U11.3 | length 70.2
  Top Layer w0.2: v3(71.3,59.637) 73.573,59.637 76.372,62.435 U1.27@76.372,63.253
  Bottom Layer w0.2: U11.3@37.41,24.935 37.41,20.694 Q19.6@37.465,20.639
  Bottom Layer w0.254: U11.3@37.41,24.935 36.025,24.935 35.306,25.654 R78.2@35.306,26.355 34.097,26.355 33.528,26.924 33.528,30.988 62.177,59.637 v3(71.3,59.637)
LINE: F2.2 K2.7 K3.7 K4.7 K5.7 K6.7 K7.7 | length 180.7
  Bottom Layer w1.27: F2.2@16.891,143.759 F2.2@16.891,151.379 23.998,151.379 ; 24.003,151.384 39.497,151.384 ; K3.7@41.728,154.95 41.728,153.615 39.497,151.384 ; K2.7@66.428,154.95 66.428,153.296 64.516,151.384 ; K5.7@91.128,154.95 91.128,153.358 89.154,151.384 ; K4.7@115.828,154.95 115.828,153.547 113.665,151.384 ; K6.7@140.528,154.95 140.528,153.482 138.43,151.384 ; K7.7@165.228,154.95 165.228,153.036 163.576,151.384 138.43,151.384 ; 39.497,151.384 64.516,151.384 ; 64.516,151.384 89.154,151.384 ; 89.154,151.384 113.665,151.384 ; 113.665,151.384 138.43,151.384
LPA1: Q20.8 R85.1 U1.26 U12.1 | length 78.2
  Top Layer w0.2: v3(71.3,60.726) 73.445,60.726 U1.26@75.972,63.253
  Bottom Layer w0.254: Q20.8@19.75,21.082 22.606,21.082 23.353,21.829 U12.1@25.189,21.829 ; R85.1@25.189,18.941 U12.1@25.189,21.829 ; v3(71.3,60.726) 62.123,60.726 26.162,24.765 26.162,21.971 26.02,21.829 U12.1@25.189,21.829
LPA2: Q20.6 R86.1 U1.25 U12.3 | length 75.6
  Top Layer w0.2: v3(71.3,61.816) 72.769,61.816 74.072,63.119 U1.25@74.072,65.153
  Bottom Layer w0.254: Q20.6@19.75,23.622 22.733,23.622 23.226,23.129 U12.3@25.189,23.129 ; U12.3@25.207,23.147 R86.1@25.207,27.432 27.686,27.432 62.07,61.816 v3(71.3,61.816)
MCLR: P8.1 R30.2 U1.13 | length 69.7
  Top Layer w0.2: R30.2@61.698,69.85 63.627,69.85 64.643,70.866 ; v2(63.881,72.39) 63.881,71.628 64.643,70.866 ; U1.13@74.072,69.953 70.763,69.953 69.85,70.866 64.643,70.866
  Bottom Layer w0.254: v2(63.881,72.39) 68.453,72.39 74.168,78.105 86.868,78.105 93.726,84.963 110.559,84.963 P8.1@112.522,83
NetC1_1: C1.1 U1.85 | length 5.3
  Top Layer w0.2: U1.85@81.972,76.653 C1.1@81.972,81.962
NetC2_2: C2.2 J1.2 | length 5.9
  Top Layer w0.2: C2.2@52.808,64.262 J1.2@58.674,64.262
NetC6_1: C6.1 U7.3 | length 7.1
  Top Layer w0.2: U7.3@153.255,61.444 155.345,61.444 157.988,58.801 C6.1@157.988,57.531
NetC6_2: C6.2 U7.1 | length 3.3
  Top Layer w0.2: U7.1@153.255,58.904 154.628,57.531 C6.2@155.988,57.531
NetC7_1: C7.1 U7.5 | length 2.7
  Top Layer w0.2: U7.5@153.255,63.984 155.964,63.984 C7.1@155.988,64.008
NetC7_2: C7.2 U7.4 | length 5.3
  Top Layer w0.2: U7.4@153.255,62.714 156.694,62.714 C7.2@157.988,64.008
NetC9_1: C9.1 U7.2 | length 5.2
  Top Layer w0.2: C9.1@151.255,56.515 151.255,59.434 151.995,60.174 U7.2@153.255,60.174
NetC10_1: C10.1 U7.6 | length 9.3
  Top Layer w0.2: U7.6@153.255,65.254 152.043,65.254 151.511,65.786 151.511,68.072 152.654,69.215 155.734,69.215 C10.1@155.988,68.961
NetC14_1: C14.1 P25.2 R56.1 | length 13.6
  Bottom Layer w0.2: R56.1@153.999,78.507 C14.1@157.748,78.507 161.41,82.169 164.315,82.169 P25.2@165.581,83.435
NetC15_1: C15.1 P25.3 R57.1 | length 10.4
  Bottom Layer w0.2: R57.1@153.999,85.524 C15.1@157.748,85.524 161.492,85.524 P25.3@163.581,83.435
NetC21_1: C21.1 P6.1 R104.1 U1.50 U2.2 | length 26.9
  Top Layer w0.2: U1.50@85.572,63.253 85.572,62.259 88.014,59.817 90.424,59.817 90.993,60.386 R104.1@90.993,61.341 C21.1@93.234,61.341 94.377,60.198 P6.1@97.536,60.198 97.917,60.198 104.45,53.665 U2.2@104.45,51.979
NetC22_1: C22.1 P6.2 R105.1 U1.49 U2.1 | length 25
  Top Layer w0.2: U1.49@85.172,63.253 85.172,62.15 89.426,57.896 C22.1@89.426,57.049 92.152,57.049 R105.1@92.202,56.999 94.718,56.999 95.377,57.658 P6.2@97.536,57.658 98.121,57.658 U2.1@103.8,51.979
NetC24_1: C24.1 P9.1 U1.54 | length 38.4
  Top Layer w0.2: v2(85.979,65.405) 85.979,65.678 86.654,66.353 U1.54@87.472,66.353
  Bottom Layer w0.2: v2(85.979,65.405) 85.979,54.991 95.123,45.847 102.362,45.847 P9.1@103.759,47.244 C24.1@103.759,51.07
NetCX1_1: CX1.1 U1.64 Y1.2 | length 13
  Top Layer w0.2: U1.64@87.472,70.353 92.07,70.353 92.753,71.036 Y1.2@92.753,72.057 94.198,70.612 96.139,70.612 97.584,72.057 CX1.1@97.933,72.057
NetCX2_1: CX2.1 U1.63 Y1.1 | length 11.7
  Top Layer w0.2: U1.63@87.472,69.953 94.385,69.953 94.953,69.385 Y1.1@94.953,68.357 CX2.1@97.933,68.357
NetD2_1: D2.1 D3.2 | length 4.3
  Bottom Layer w1.27: D2.1@69.342,169.664 D3.2@69.342,173.998
NetD2_2: D2.2 D5.1 K2.6 R6.1 | length 25.3
  Bottom Layer w0.254: R6.1@61.595,161.986 61.595,163.576 64.002,165.983 D5.1@64.389,165.983
  Bottom Layer w1.27: K2.6@58.806,154.95 60.589,154.95 64.389,158.75 D5.1@64.389,165.983 65.708,164.664 D2.2@69.342,164.664
NetD3_1: D3.1 D4.2 | length 4.3
  Bottom Layer w1.27: D3.1@69.342,178.998 D4.2@69.342,183.333
NetD4_1: D4.1 D5.2 F3.1 Q2.2 | length 47.2
  Top Layer w0.254: Q2.2@49.657,156.402 49.657,158.369 52.324,161.036 v1(55.118,161.036)
  Bottom Layer w1.27: v1(55.118,161.036) 55.88,161.036 60.452,165.608 60.452,169.926 61.509,170.983 D5.2@64.389,170.983 66.548,173.143 66.548,178.304 F3.1@64.389,180.463 64.389,186.055 66.667,188.333 D4.1@69.342,188.333
NetD6_1: D6.1 D7.2 | length 4.3
  Bottom Layer w1.27: D6.1@32.385,169.664 D7.2@32.385,173.998
NetD6_2: D6.2 D9.1 K3.6 R7.1 | length 20.8
  Bottom Layer w0.254: D9.1@37.409,165.983 39.243,164.149 R7.1@39.243,161.986
  Bottom Layer w1.27: K3.6@34.106,154.95 34.106,159.315 32.385,161.036 D6.2@32.385,164.664 36.089,164.664 D9.1@37.409,165.983
NetD7_1: D7.1 D8.2 | length 4.3
  Bottom Layer w1.27: D7.1@32.385,178.998 D8.2@32.385,183.333
NetD8_1: D8.1 D9.2 F4.1 Q2.4 | length 44.5
  Top Layer w0.254: v1(43.053,161.036) 43.053,159.258 45.909,156.402 Q2.4@47.117,156.402
  Bottom Layer w1.27: D8.1@32.385,188.333 35.949,188.333 37.846,186.436 F4.1@37.846,180.463 35.433,178.05 35.433,172.959 D9.2@37.409,170.983 40.345,170.983 42.291,169.037 42.291,161.798 v1(43.053,161.036)
NetD10_1: D10.1 D11.2 | length 4.3
  Bottom Layer w1.27: D10.1@116.078,169.664 D11.2@116.078,173.998
NetD10_2: D10.2 D13.1 K4.6 R14.1 | length 23.4
  Bottom Layer w0.254: R14.1@107.299,161.986 107.299,162.411 D13.1@110.871,165.983
  Bottom Layer w1.27: K4.6@108.206,154.95 110.871,157.615 D13.1@110.871,165.983 112.782,165.983 114.101,164.664 D10.2@116.078,164.664
NetD11_1: D11.1 D12.2 | length 4.3
  Bottom Layer w1.27: D11.1@116.078,178.998 D12.2@116.078,183.333
NetD12_1: D12.1 D13.2 F5.1 Q5.2 | length 46.1
  Top Layer w0.254: Q5.2@97.536,156.402 97.536,159.385 99.187,161.036 v1(100.711,161.036)
  Bottom Layer w1.27: v1(100.711,161.036) 101.473,161.036 106.553,166.116 106.553,168.529 109.007,170.983 D13.2@110.871,170.983 113.03,173.142 113.03,178.304 F5.1@110.871,180.463 110.871,187.071 112.133,188.333 D12.1@116.078,188.333
NetD14_1: D14.1 D15.2 | length 4.3
  Bottom Layer w1.27: D14.1@78.613,169.664 D15.2@78.613,173.998
NetD14_2: D14.2 D17.1 K5.6 R15.1 | length 21.9
  Bottom Layer w0.254: D17.1@83.523,165.983 87,162.506 R15.1@87,161.986
  Bottom Layer w1.27: D14.2@78.613,164.664 80.336,164.664 81.655,165.983 D17.1@83.523,165.983 ; K5.6@83.506,154.95 D17.1@83.506,165.967
NetD15_1: D15.1 D16.2 | length 4.3
  Bottom Layer w1.27: D15.1@78.613,178.998 D16.2@78.613,183.333
NetD16_1: D16.1 D17.2 F6.1 Q5.4 | length 43.8
  Top Layer w0.254: v1(91.44,161.036) 91.44,159.958 Q5.4@94.996,156.402
  Bottom Layer w1.27: D16.1@78.613,188.333 81.923,188.333 83.566,186.69 F6.1@83.566,180.463 81.153,178.05 81.153,173.353 D17.2@83.523,170.983 85.43,170.983 88.011,168.402 88.011,164.973 91.44,161.544 v1(91.44,161.036)
NetD18_1: D18.1 D19.2 | length 4.3
  Bottom Layer w1.27: D18.1@125.095,169.664 D19.2@125.095,173.998
NetD18_2: D18.2 D21.1 K6.6 R22.1 | length 20.5
  Bottom Layer w0.254: D21.1@131.064,163.457 132.641,163.457 R22.1@134.874,161.224
  Bottom Layer w1.27: D18.2@125.095,164.664 127.055,164.664 128.262,163.457 D21.1@131.064,163.457 131.064,157.607 132.906,155.765 K6.6@132.906,154.95
NetD19_1: D19.1 D20.2 | length 4.3
  Bottom Layer w1.27: D19.1@125.095,178.998 D20.2@125.095,183.333
NetD20_1: D20.1 D21.2 F7.1 Q8.2 | length 50.7
  Top Layer w0.254: v1(138.927,161.036) 138.927,158.888 143.002,154.813 146.431,154.813 146.812,155.194 Q8.2@146.812,156.402
  Bottom Layer w1.27: D20.1@125.095,188.333 127.77,188.333 131.064,185.039 F7.1@131.064,177.546 128.143,174.625 128.143,171.378 D21.2@131.064,168.457 132.152,168.457 138.927,161.682 v1(138.927,161.036)
NetD22_1: D22.1 D23.2 | length 4.3
  Bottom Layer w1.27: D22.1@165.1,169.664 D23.2@165.1,173.998
NetD22_2: D22.2 D25.1 K7.6 R23.1 | length 21.2
  Bottom Layer w0.254: R23.1@155.559,161.224 155.559,162.29 156.726,163.457 D25.1@159.131,163.457
  Bottom Layer w1.27: K7.6@157.606,154.95 158.379,154.95 159.131,155.702 D25.1@159.131,163.457 161.933,163.457 163.14,164.664 D22.2@165.1,164.664
NetD23_1: D23.1 D24.2 | length 4.3
  Bottom Layer w1.27: D23.1@165.1,178.998 D24.2@165.1,183.333
NetD24_1: D24.1 D25.2 F8.1 Q8.4 | length 49.5
  Top Layer w0.254: Q8.4@144.272,156.402 144.272,158.242 147.066,161.036 v1(149.987,161.036)
  Bottom Layer w1.27: v1(149.987,161.036) 152.4,163.449 153.552,163.449 155.321,165.218 155.321,167.513 156.265,168.457 D25.2@159.131,168.457 161.925,171.251 161.925,175.26 F8.1@159.131,178.054 159.131,186.817 160.647,188.333 D24.1@165.1,188.333
NetD27_1: D27.1 F9.1 | length 8.4
  Top Layer w0.508: F9.1@19.399,113.538 19.399,116.046 23.114,119.761 D27.1@23.114,120.397
NetD27_3: D27.3 P32.1 | length 4.2
  Top Layer w0.508: P32.1@9.706,125.54 9.85,125.397 D27.3@13.814,125.397
NetD27_4: D27.4 P32.2 | length 4.1
  Top Layer w0.508: P32.2@9.706,120.46 9.77,120.397 D27.4@13.814,120.397
NetF2_1: F2.1 P2.3 | length 20.3
  Bottom Layer w1.27: F2.1@16.891,164.719 F2.1@16.891,172.339 P2.3@16.891,185.039
NetF3_2: F3.2 GDT2.1 P4.1 | length 16.1
  Bottom Layer w1.27: GDT2.1@56.261,178.037 P4.1@56.261,185.039 ; GDT2.1@56.375,177.923 59.059,177.923 61.599,175.383 F3.2@64.389,175.383
NetF4_2: F4.2 GDT3.1 P4.3 | length 16.5
  Bottom Layer w1.27: F4.2@37.846,175.383 43.794,175.383 GDT3.1@46.215,177.804 ; GDT3.1@46.101,177.918 P4.3@46.101,185.039
NetF5_2: F5.2 GDT4.1 P7.1 | length 17.1
  Bottom Layer w1.27: P7.1@101.854,185.039 101.854,178.037 105.808,178.037 108.462,175.383 F5.2@110.871,175.383
NetF6_2: F6.2 GDT5.1 P7.3 | length 16.3
  Bottom Layer w1.27: F6.2@83.566,175.383 85.213,175.383 87.753,177.923 GDT5.1@91.808,177.923 P7.3@91.808,184.925
NetF7_2: F7.2 GDT6.1 P10.2 | length 21.3
  Bottom Layer w1.27: F7.2@131.064,172.466 134.366,175.768 134.366,183.117 ; P10.2@134.366,185.039 134.366,183.117 ; GDT6.1@139.56,177.923 134.366,183.117
NetF8_2: F8.2 GDT7.1 P11.1 | length 20.5
  Bottom Layer w1.27: GDT7.1@150.863,177.923 155.829,182.889 ; P11.1@155.829,185.039 155.829,182.889 ; F8.2@159.131,172.974 155.829,176.276 155.829,182.889
NetJ1_1: J1.1 R29.1 R30.1 SW1.3 SW1.4 | length 19.4
  Top Layer w0.2: SW1.3@53.812,68.65 55.315,68.65 56.515,69.85 R30.1@58.698,69.85 ; SW1.4@53.812,77.4 54.045,77.4 56.618,74.827 R29.1@58.698,74.827 R30.1@58.698,69.85 ; J1.1@58.698,66.778 R30.1@58.698,69.85
NetK1_2: K1.2 LED32.1 | length 6.6
  Top Layer w0.254: v1(99.695,18.923) LED32.1@103.632,18.923
  Bottom Layer w0.254: K1.2@97.027,18.923 v1(99.695,18.923)
NetK1_3: K1.3 Q1.1 | length 6.4
  Bottom Layer w0.254: K1.3@97.027,21.463 97.027,23.113 99.695,25.781 Q1.1@99.695,26.74
NetK1_5: K1.5 P33.2 | length 17.6
  Bottom Layer w0.254: P33.2@99.977,9.1 104.394,13.517 104.394,21.97 K1.5@106.427,24.003